# KiCad board DZ44.kicad_pcb
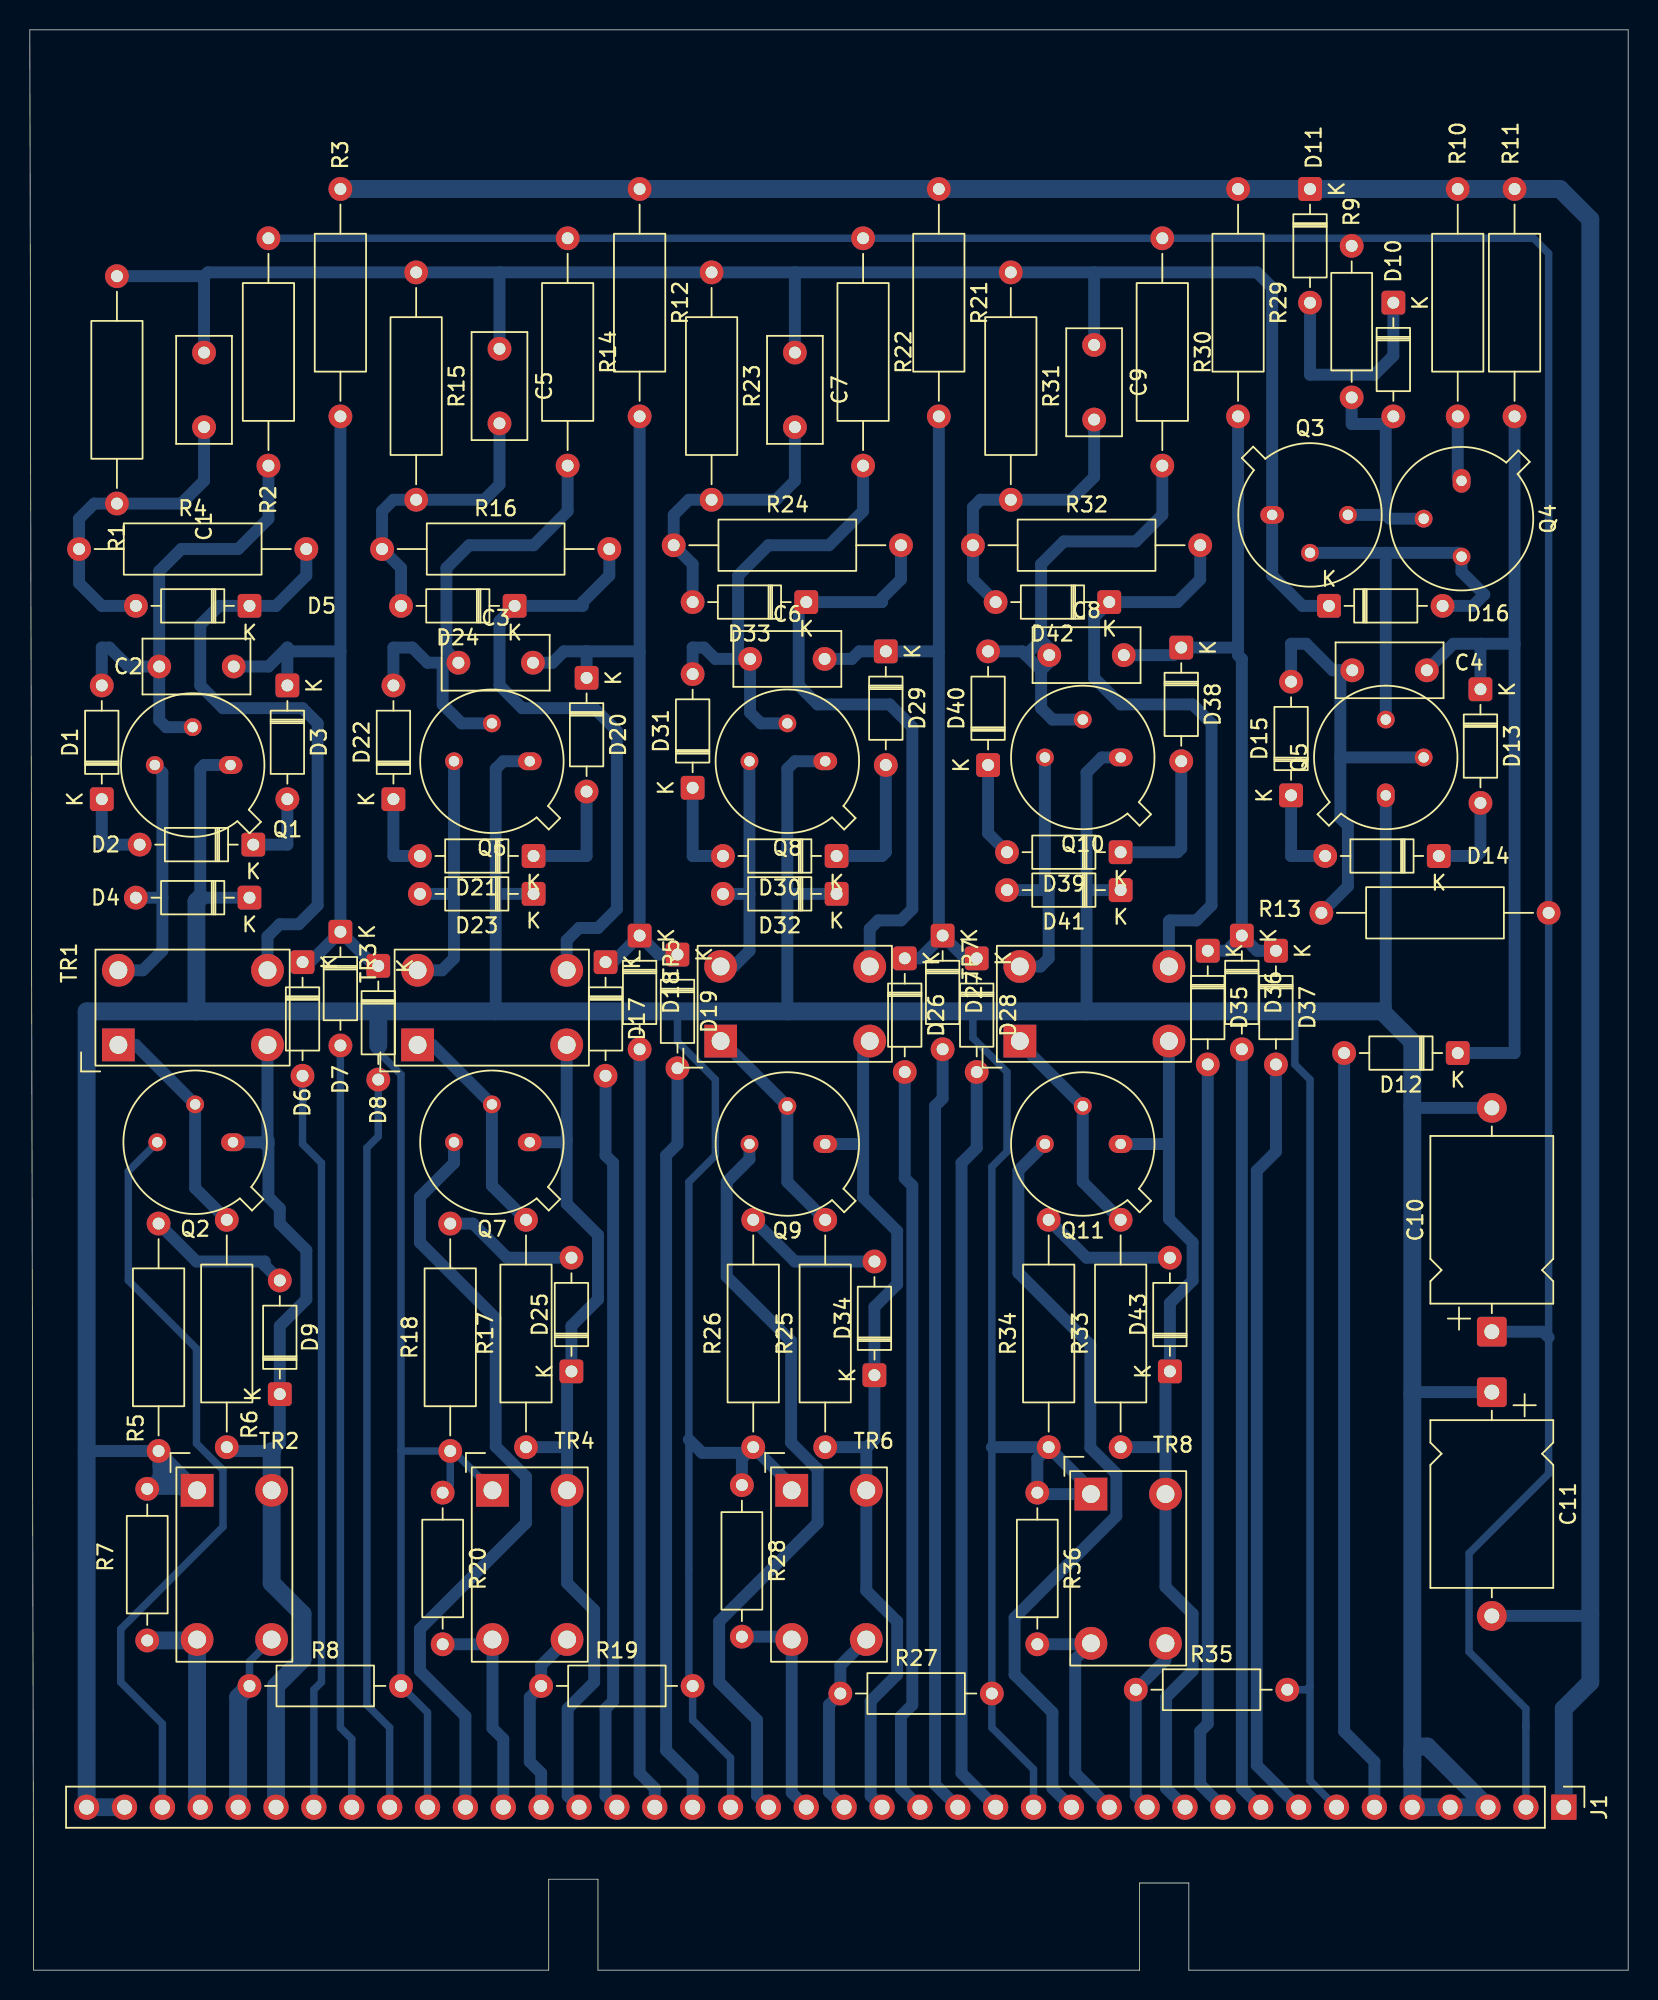
[diagram p0: board, top side]
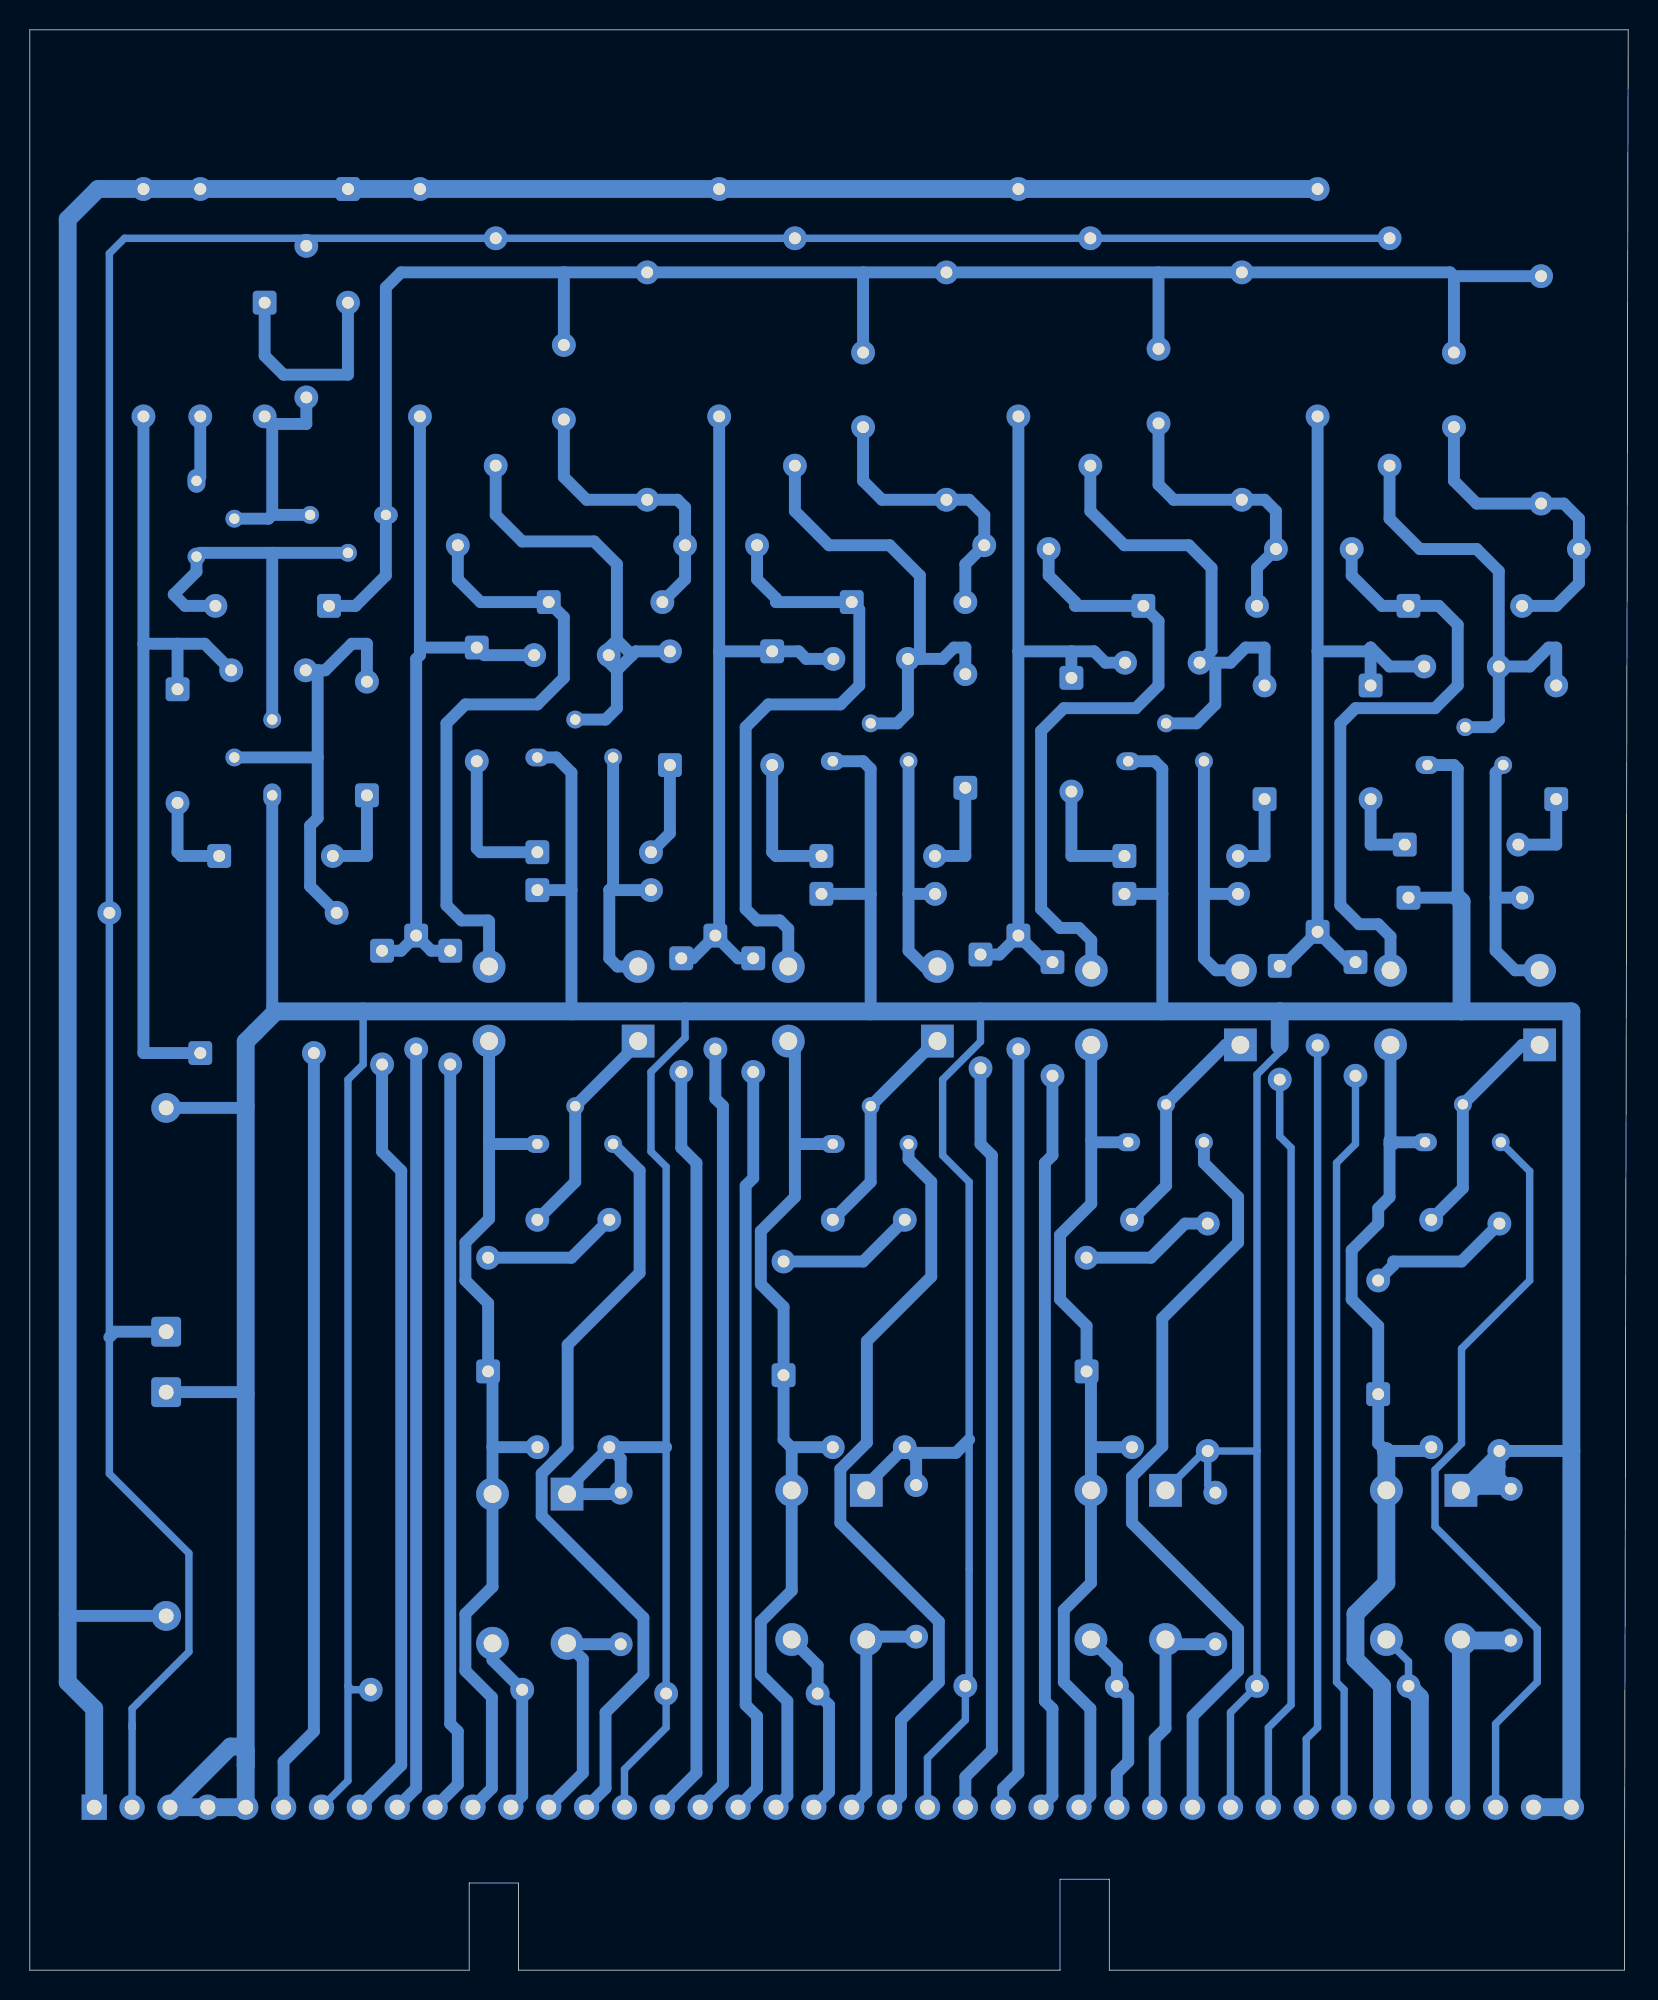
[diagram p1: board, bottom side, seen from below]

Outline 107.19 x 130.05 mm; copper layers: Top, Bottom. Coordinates in mm from the lower left corner of the outline.
Outline path: 0,130.05 0.25,0 34.8,0 34.8,6.1 38.1,6.1 38.1,0 74.42,0 74.42,5.84 77.72,5.84 77.72,0 107.19,0 107.19,130.05 0,130.05

## Placement (name value [footprint] x y rotation side)
C1  C  [C_Rect_L7.0mm_W3.5mm_P5.00mm]  11.68 108.42 270 top
C2  C  [C_Rect_L7.0mm_W3.5mm_P5.00mm]  8.68 87.38 0 top
C3  C  [C_Rect_L7.0mm_W3.5mm_P5.00mm]  28.74 87.63 0 top
C4  C  [C_Rect_L7.0mm_W3.5mm_P5.00mm]  88.69 87.12 0 top
C5  C  [C_Rect_L7.0mm_W3.5mm_P5.00mm]  31.5 108.67 270 top
C6  C  [C_Rect_L7.0mm_W3.5mm_P5.00mm]  48.3 87.88 0 top
C7  C  [C_Rect_L7.0mm_W3.5mm_P5.00mm]  51.31 108.42 270 top
C8  C  [C_Rect_L7.0mm_W3.5mm_P5.00mm]  68.37 88.14 0 top
C9  C  [C_Rect_L7.0mm_W3.5mm_P5.00mm]  71.37 108.93 270 top
C10  C_Polarized  [CP_Axial_L11.0mm_D8.0mm_P15.00mm_Horizontal]  98.04 42.79 90 top
C11  C_Polarized  [CP_Axial_L11.0mm_D8.0mm_P15.00mm_Horizontal]  98.04 38.74 270 top
D1  1N005  [D_DO-35_SOD27_P7.62mm_Horizontal]  4.83 78.49 90 top
D2  1N005  [D_DO-35_SOD27_P7.62mm_Horizontal]  14.99 75.44 180 top
D3  1N005  [D_DO-35_SOD27_P7.62mm_Horizontal]  17.27 86.11 270 top
D4  1N914  [D_DO-35_SOD27_P7.62mm_Horizontal]  14.73 71.88 180 top
D5  1N914  [D_DO-35_SOD27_P7.62mm_Horizontal]  14.73 91.44 180 top
D6  1N914  [D_DO-35_SOD27_P7.62mm_Horizontal]  18.29 67.56 270 top
D7  1N914  [D_DO-35_SOD27_P7.62mm_Horizontal]  20.83 69.6 270 top
D8  1N914  [D_DO-35_SOD27_P7.62mm_Horizontal]  23.37 67.31 270 top
D9  1N914  [D_DO-35_SOD27_P7.62mm_Horizontal]  16.76 38.61 90 top
D10  1N005  [D_DO-35_SOD27_P7.62mm_Horizontal]  91.44 111.76 270 top
D11  1N005  [D_DO-35_SOD27_P7.62mm_Horizontal]  85.85 119.38 270 top
D12  1N005  [D_DO-35_SOD27_P7.62mm_Horizontal]  95.76 61.47 180 top
D13  1N005  [D_DO-35_SOD27_P7.62mm_Horizontal]  97.28 85.85 270 top
D14  1N005  [D_DO-35_SOD27_P7.62mm_Horizontal]  94.49 74.68 180 top
D15  1N005  [D_DO-35_SOD27_P7.62mm_Horizontal]  84.58 78.74 90 top
D16  1N914  [D_DO-35_SOD27_P7.62mm_Horizontal]  87.12 91.44 0 top
D17  1N914  [D_DO-35_SOD27_P7.62mm_Horizontal]  38.61 67.56 270 top
D18  1N914  [D_DO-35_SOD27_P7.62mm_Horizontal]  40.89 69.34 270 top
D19  1N914  [D_DO-35_SOD27_P7.62mm_Horizontal]  43.43 68.07 270 top
D20  1N005  [D_DO-35_SOD27_P7.62mm_Horizontal]  37.34 86.61 270 top
D21  1N005  [D_DO-35_SOD27_P7.62mm_Horizontal]  33.78 74.68 180 top
D22  1N005  [D_DO-35_SOD27_P7.62mm_Horizontal]  24.38 78.49 90 top
D23  1N914  [D_DO-35_SOD27_P7.62mm_Horizontal]  33.78 72.14 180 top
D24  1N914  [D_DO-35_SOD27_P7.62mm_Horizontal]  32.51 91.44 180 top
D25  1N914  [D_DO-35_SOD27_P7.62mm_Horizontal]  36.32 40.13 90 top
D26  1N914  [D_DO-35_SOD27_P7.62mm_Horizontal]  58.67 67.82 270 top
D27  1N914  [D_DO-35_SOD27_P7.62mm_Horizontal]  61.21 69.34 270 top
D28  1N914  [D_DO-35_SOD27_P7.62mm_Horizontal]  63.5 67.82 270 top
D29  1N005  [D_DO-35_SOD27_P7.62mm_Horizontal]  57.4 88.39 270 top
D30  1N005  [D_DO-35_SOD27_P7.62mm_Horizontal]  54.1 74.68 180 top
D31  1N005  [D_DO-35_SOD27_P7.62mm_Horizontal]  44.45 79.25 90 top
D32  1N914  [D_DO-35_SOD27_P7.62mm_Horizontal]  54.1 72.14 180 top
D33  1N914  [D_DO-35_SOD27_P7.62mm_Horizontal]  52.07 91.69 180 top
D34  1N914  [D_DO-35_SOD27_P7.62mm_Horizontal]  56.64 39.88 90 top
D35  1N914  [D_DO-35_SOD27_P7.62mm_Horizontal]  78.99 68.33 270 top
D36  1N914  [D_DO-35_SOD27_P7.62mm_Horizontal]  81.28 69.34 270 top
D37  1N914  [D_DO-35_SOD27_P7.62mm_Horizontal]  83.57 68.33 270 top
D38  1N005  [D_DO-35_SOD27_P7.62mm_Horizontal]  77.22 88.65 270 top
D39  1N005  [D_DO-35_SOD27_P7.62mm_Horizontal]  73.15 74.93 180 top
D40  1N005  [D_DO-35_SOD27_P7.62mm_Horizontal]  64.26 80.77 90 top
D41  1N914  [D_DO-35_SOD27_P7.62mm_Horizontal]  73.15 72.39 180 top
D42  1N914  [D_DO-35_SOD27_P7.62mm_Horizontal]  72.39 91.69 180 top
D43  1N914  [D_DO-35_SOD27_P7.62mm_Horizontal]  76.45 40.13 90 top
J1  Conn_01x40  [PinHeader_1x40_P2.54mm_Vertical]  102.87 10.92 270 top
Q1  Q_PNP_EBC  [TO-39-3]  13.46 80.77 180 top
Q2  Q_PNP_EBC  [TO-39-3]  13.63 55.49 180 top
Q3  Q_PNP_EBC  [TO-39-3]  83.31 97.54 0 top
Q4  Q_PNP_EBC  [TO-39-3]  96.01 99.82 270 top
Q5  Q_PNP_EBC  [TO-39-3]  90.93 78.74 90 top
Q6  Q_PNP_EBC  [TO-39-3]  33.53 81.03 180 top
Q7  Q_PNP_EBC  [TO-39-3]  33.53 55.49 180 top
Q8  Q_PNP_EBC  [TO-39-3]  53.34 81.03 180 top
Q9  Q_PNP_EBC  [TO-39-3]  53.34 55.37 180 top
Q10  Q_PNP_EBC  [TO-39-3]  73.15 81.28 180 top
Q11  Q_PNP_EBC  [TO-39-3]  73.15 55.37 180 top
R1  110R  [R_Axial_DIN0309_L9.0mm_D3.2mm_P15.24mm_Horizontal]  5.84 113.54 270 top
R2  39K  [R_Axial_DIN0309_L9.0mm_D3.2mm_P15.24mm_Horizontal]  16 116.08 270 top
R3  6.8K  [R_Axial_DIN0309_L9.0mm_D3.2mm_P15.24mm_Horizontal]  20.83 119.38 270 top
R4  110R  [R_Axial_DIN0309_L9.0mm_D3.2mm_P15.24mm_Horizontal]  3.3 95.25 0 top
R5  150R  [R_Axial_DIN0309_L9.0mm_D3.2mm_P15.24mm_Horizontal]  8.64 34.8 90 top
R6  330R  [R_Axial_DIN0309_L9.0mm_D3.2mm_P15.24mm_Horizontal]  13.21 35.05 90 top
R7  510R  [R_Axial_DIN0207_L6.3mm_D2.5mm_P10.16mm_Horizontal]  7.87 32.26 270 top
R8  510R  [R_Axial_DIN0207_L6.3mm_D2.5mm_P10.16mm_Horizontal]  14.73 19.05 0 top
R9  3.3K  [R_Axial_DIN0207_L6.3mm_D2.5mm_P10.16mm_Horizontal]  88.65 115.57 270 top
R10  100R  [R_Axial_DIN0309_L9.0mm_D3.2mm_P15.24mm_Horizontal]  95.76 104.14 90 top
R11  7.5K  [R_Axial_DIN0309_L9.0mm_D3.2mm_P15.24mm_Horizontal]  99.57 104.14 90 top
R12  6.8K  [R_Axial_DIN0309_L9.0mm_D3.2mm_P15.24mm_Horizontal]  40.89 119.38 270 top
R13  39K  [R_Axial_DIN0309_L9.0mm_D3.2mm_P15.24mm_Horizontal]  101.85 70.87 180 top
R14  39K  [R_Axial_DIN0309_L9.0mm_D3.2mm_P15.24mm_Horizontal]  36.07 116.08 270 top
R15  110R  [R_Axial_DIN0309_L9.0mm_D3.2mm_P15.24mm_Horizontal]  25.91 113.79 270 top
R16  110R  [R_Axial_DIN0309_L9.0mm_D3.2mm_P15.24mm_Horizontal]  23.62 95.25 0 top
R17  330R  [R_Axial_DIN0309_L9.0mm_D3.2mm_P15.24mm_Horizontal]  33.27 35.05 90 top
R18  150R  [R_Axial_DIN0309_L9.0mm_D3.2mm_P15.24mm_Horizontal]  28.19 34.8 90 top
R19  510R  [R_Axial_DIN0207_L6.3mm_D2.5mm_P10.16mm_Horizontal]  34.29 19.05 0 top
R20  510R  [R_Axial_DIN0207_L6.3mm_D2.5mm_P10.16mm_Horizontal]  27.69 32 270 top
R21  6.8K  [R_Axial_DIN0309_L9.0mm_D3.2mm_P15.24mm_Horizontal]  60.96 119.38 270 top
R22  39K  [R_Axial_DIN0309_L9.0mm_D3.2mm_P15.24mm_Horizontal]  55.88 116.08 270 top
R23  110R  [R_Axial_DIN0309_L9.0mm_D3.2mm_P15.24mm_Horizontal]  45.72 113.79 270 top
R24  110R  [R_Axial_DIN0309_L9.0mm_D3.2mm_P15.24mm_Horizontal]  43.18 95.5 0 top
R25  330R  [R_Axial_DIN0309_L9.0mm_D3.2mm_P15.24mm_Horizontal]  53.34 35.05 90 top
R26  150R  [R_Axial_DIN0309_L9.0mm_D3.2mm_P15.24mm_Horizontal]  48.51 35.05 90 top
R27  510R  [R_Axial_DIN0207_L6.3mm_D2.5mm_P10.16mm_Horizontal]  54.36 18.54 0 top
R28  510R  [R_Axial_DIN0207_L6.3mm_D2.5mm_P10.16mm_Horizontal]  47.75 32.51 270 top
R29  6.8K  [R_Axial_DIN0309_L9.0mm_D3.2mm_P15.24mm_Horizontal]  81.03 119.38 270 top
R30  39K  [R_Axial_DIN0309_L9.0mm_D3.2mm_P15.24mm_Horizontal]  75.95 116.08 270 top
R31  110R  [R_Axial_DIN0309_L9.0mm_D3.2mm_P15.24mm_Horizontal]  65.79 113.79 270 top
R32  110R  [R_Axial_DIN0309_L9.0mm_D3.2mm_P15.24mm_Horizontal]  63.25 95.5 0 top
R33  330R  [R_Axial_DIN0309_L9.0mm_D3.2mm_P15.24mm_Horizontal]  73.15 35.05 90 top
R34  150R  [R_Axial_DIN0309_L9.0mm_D3.2mm_P15.24mm_Horizontal]  68.33 35.05 90 top
R35  510R  [R_Axial_DIN0207_L6.3mm_D2.5mm_P10.16mm_Horizontal]  74.17 18.8 0 top
R36  510R  [R_Axial_DIN0207_L6.3mm_D2.5mm_P10.16mm_Horizontal]  67.56 32 270 top
TR1  TRANSF1  [DZ44 Transformer]  5.94 62.02 90 top
TR2  TRANSF1  [DZ44 Transformer]  11.22 32.16 0 top
TR3  TRANSF1  [DZ44 Transformer]  26 62.02 90 top
TR4  TRANSF1  [DZ44 Transformer]  31.03 32.16 0 top
TR5  TRANSF1  [DZ44 Transformer]  46.33 62.27 90 top
TR6  TRANSF1  [DZ44 Transformer]  51.09 32.16 0 top
TR7  TRANSF1  [DZ44 Transformer]  66.39 62.27 90 top
TR8  TRANSF1  [DZ44 Transformer]  71.16 31.91 0 top

## Library data of the parts
C1-C9 = -: Description: Unpolarized capacitor; ki_fp_filters: C_*
C10 C11 = -: Description: Polarized capacitor; ki_fp_filters: CP_*
D1-D3 D10-D15 D20-D22 D29-D31 D38-D40 = -: Description: Diode; Sim.Device: D; Sim.Pins: 1=K 2=A; ki_fp_filters: TO-???* *_Diode_* *SingleDiode* D_*
D4-D9 D16-D19 D23-D28 D32-D37 D41-D43 = -: Datasheet: http://www.vishay.com/docs/85622/1n914.pdf; Description: 100V 0.3A Small Signal Fast Switching Diode, DO-35; Sim.Device: D; Sim.Pins: 1=K 2=A; ki_fp_filters: D*DO?35*
J1 = -: Description: Generic connector, single row, 01x40, script generated (kicad-library-utils/schlib/autogen/connector/); ki_fp_filters: Connector*:*_1x??_*
Q1-Q11 = -: Description: PNP transistor, emitter/base/collector
R1-R36 = -: Description: Resistor; ki_fp_filters: R_*

## Footprints (pads in the part's own frame, mm; a bottom-side part is the same pattern mirrored in y, then rotated)
C_Rect_L7.0mm_W3.5mm_P5.00mm
  round 1.6 hole 0.8: 1(0,0) 2(5,0)
CP_Axial_L11.0mm_D8.0mm_P15.00mm_Horizontal
  rrect 2x2 hole 1: 1(0,0)
  round 2 hole 1: 2(15,0)
D_DO-35_SOD27_P7.62mm_Horizontal
  rrect 1.6x1.6 hole 0.8: 1(0,0)
  round 1.6 hole 0.8: 2(7.62,0)
DZ44 Transformer
  rect 2.2x2.2 hole 1.2: 1(0,0)
  round 2.2 hole 1.2: 2(0,-10) 3(5,-10) 4(5,0)
PinHeader_1x40_P2.54mm_Vertical
  rect 1.7x1.7 hole 1: 1(0,0)
  round 1.7 hole 1: 2(0,-2.54) 3(0,-5.08) 4(0,-7.62) 5(0,-10.16) 6(0,-12.7) 7(0,-15.24) 8(0,-17.78) 9(0,-20.32) 10(0,-22.86) 11(0,-25.4) 12(0,-27.94) 13(0,-30.48) 14(0,-33.02) 15(0,-35.56) 16(0,-38.1) 17(0,-40.64) 18(0,-43.18) 19(0,-45.72) 20(0,-48.26) 21(0,-50.8) 22(0,-53.34) 23(0,-55.88) 24(0,-58.42) 25(0,-60.96) 26(0,-63.5) 27(0,-66.04) 28(0,-68.58) 29(0,-71.12) 30(0,-73.66) 31(0,-76.2) 32(0,-78.74) 33(0,-81.28) 34(0,-83.82) 35(0,-86.36) 36(0,-88.9) 37(0,-91.44) 38(0,-93.98) 39(0,-96.52) 40(0,-99.06)
R_Axial_DIN0207_L6.3mm_D2.5mm_P10.16mm_Horizontal
  round 1.6 hole 0.8: 1(0,0) 2(10.16,0)
R_Axial_DIN0309_L9.0mm_D3.2mm_P15.24mm_Horizontal
  round 1.6 hole 0.8: 1(0,0) 2(15.24,0)
TO-39-3
  oval 1.6x1.2 hole 0.7: 1(0,0)
  round 1.2 hole 0.7: 2(2.54,-2.54) 3(5.08,0)

## Nets
+6V: C10.1 J1.2 R2.1 R9.1 R13.1 R14.1 R22.1 R30.1
-12V: C11.2 D11.1 J1.1 R3.1 R10.2 R11.2 R12.1 R21.1 R29.1
GND: C10.2 C11.1 D4.1 D23.1 D32.1 D41.1 J1.3 J1.4 J1.5 J1.7 J1.15 J1.23 J1.31 J1.39 J1.40 Q1.1 Q5.1 Q6.1 Q8.1 Q10.1 R5.1 R7.1 R8.2 R18.1 R19.2 R20.1 R26.1 R27.2 R28.1 R34.1 R35.2 R36.1 TR2.1 TR4.1 TR6.1 TR8.1
P6: D12.2 J1.6
P8: D37.2 J1.8
P9: D36.2 J1.9
P10: D35.2 J1.10
P11: D43.1 J1.11 Q11.1 R33.1 TR7.2 TR8.4
P12: J1.12 R35.1 TR8.3
P13: J1.13 R36.2 TR8.2
P14: J1.14 Q11.3
P16: D28.2 J1.16
P17: D27.2 J1.17
P18: D26.2 J1.18
P19: D34.1 J1.19 Q9.1 R25.1 TR5.2 TR6.4
P20: J1.20 R27.1 TR6.3
P21: J1.21 R28.2 TR6.2
P22: J1.22 Q9.3
P24: D19.2 J1.24
P25: D18.2 J1.25
P26: D17.2 J1.26
P27: D25.1 J1.27 Q7.1 R17.1 TR3.2 TR4.4
P28: J1.28 R19.1 TR4.3
P29: J1.29 R20.2 TR4.2
P30: J1.30 Q7.3
P32: D8.2 J1.32
P33: D7.2 J1.33
P34: D6.2 J1.34
P35: D9.1 J1.35 Q2.1 R6.1 TR1.2 TR2.4
P36: J1.36 R8.1 TR2.3
P37: J1.37 R7.2 TR2.2
P38: J1.38 Q2.3
TRANSFORMER_DRIVE: C1.1 C5.1 C7.1 C9.1 D16.1 Q3.1 R1.1 R15.1 R23.1 R31.1
Net-(D1-A): C2.1 D1.2 Q1.2 R2.2
Net-(D1-K): D1.1 D2.2
Net-(D2-K): D2.1 D3.2
Net-(D3-K): C2.2 D3.1 D6.1 D7.1 D8.1 R3.2
Net-(D4-A): D4.2 Q1.3 TR1.4
Net-(D5-A): C1.2 D5.2 R1.2 R4.1
Net-(D5-K): D5.1 R4.2 TR1.3
Net-(D9-A): D9.2 R5.2
Net-(D10-A): D10.2 Q3.3 Q4.2 R9.2
Net-(D10-K): D10.1 D11.2
Net-(D12-K): C4.2 D12.1 D13.1 R11.1
Net-(D13-A): D13.2 D14.1
Net-(D14-A): D14.2 D15.1
Net-(D15-A): C4.1 D15.2 Q5.2 R13.2
Net-(D16-A): D16.2 Q3.2 Q4.3 Q5.3
Net-(D17-K): C3.2 D17.1 D18.1 D19.1 D20.1 R12.2
Net-(D20-A): D20.2 D21.1
Net-(D21-A): D21.2 D22.1
Net-(D22-A): C3.1 D22.2 Q6.2 R14.2
Net-(D23-A): D23.2 Q6.3 TR3.4
Net-(D24-A): C5.2 D24.2 R15.2 R16.1
Net-(D24-K): D24.1 R16.2 TR3.3
Net-(D25-A): D25.2 R18.2
Net-(D26-K): C6.2 D26.1 D27.1 D28.1 D29.1 R21.2
Net-(D29-A): D29.2 D30.1
Net-(D30-A): D30.2 D31.1
Net-(D31-A): C6.1 D31.2 Q8.2 R22.2
Net-(D32-A): D32.2 Q8.3 TR5.4
Net-(D33-A): C7.2 D33.2 R23.2 R24.1
Net-(D33-K): D33.1 R24.2 TR5.3
Net-(D34-A): D34.2 R26.2
Net-(D35-K): C8.2 D35.1 D36.1 D37.1 D38.1 R29.2
Net-(D38-A): D38.2 D39.1
Net-(D39-A): D39.2 D40.1
Net-(D40-A): C8.1 D40.2 Q10.2 R30.2
Net-(D41-A): D41.2 Q10.3 TR7.4
Net-(D42-A): C9.2 D42.2 R31.2 R32.1
Net-(D42-K): D42.1 R32.2 TR7.3
Net-(D43-A): D43.2 R34.2
Net-(Q2-B): Q2.2 R6.2 TR1.1
Net-(Q4-E): Q4.1 R10.1
Net-(Q7-B): Q7.2 R17.2 TR3.1
Net-(Q9-B): Q9.2 R25.2 TR5.1
Net-(Q11-B): Q11.2 R33.2 TR7.1

## Routing (per net, layer and track width the routed paths; a pad name or vN(x,y) marks a point on that pad's centre or on a via; arc(x,y) is an arc through that point)
+6V: length 198.4
  Bottom w0.5: R2.1 100.84,116.08 101.85,115.06 101.85,33.27 96.52,27.94 96.52,21.34 100.33,17.53 100.33,16.26 ; 100.33,16.26 J1.2 ; 100.33,16.26 100.33,16.51
  Bottom w0.8: C10.1 101.48,42.79 101.85,42.42
-12V: length 198.5
  Bottom w0.8: 104.65,23.88 104.51,23.74 C11.2
  Bottom w1.2: R3.1 102.62,119.38 104.65,117.35 104.65,19.3 102.87,17.53 J1.1
GND: length 601.5
  Bottom w0.5: R18.1 28.39,34.8 TR4.1 ; R18.1 24.89,34.8 ; R18.1 28.19,32.51 R20.1 ; 24.89,34.8 24.89,60.03 23.37,61.55 23.37,61.98 ; 24.89,34.8 R8.2 26.67,17.27 J1.31 ; 84.84,64.26 84.84,60.71 85.85,59.69 85.85,19.05 ; J1.23 46.99,14.22 44.45,16.76 R19.2 44.2,19.3 44.2,52.83 45.97,54.61 45.97,59.69 43.43,62.23 43.43,64.26 ; 85.85,19.05 85.6,18.8 R35.2 ; 85.85,19.05 85.85,12.7 J1.7 ; J1.15 67.31,13.46 64.52,16.26 R27.2 64.52,53.85 65.53,54.86 65.53,60.2 63.25,62.48 63.25,64.26
  Bottom w0.8: R26.1 48.13,34.67 45.08,34.67 44.2,35.56 ; R26.1 51.09,32.47 TR6.1 ; R26.1 47.75,34.29 R28.1 ; 50.8,72.14 50.8,64.26 ; 50.8,72.14 D32.1 ; 50.8,72.14 50.8,80.52 51.31,81.03 Q8.1 ; R34.1 67.56,34.29 R36.1 67.66,31.91 TR8.1 71.16,32.22 R34.1 ; R34.1 64.52,35.05 ; 70.87,72.39 70.87,80.26 71.88,81.28 Q10.1 ; 70.87,72.39 D41.1 ; 70.87,72.39 70.87,64.26 ; C10.2 92.83,57.79 92.71,57.91 ; TR2.1 11.12,32.26 R7.1 8.64,33.02 ; TR2.1 10.26,32.16 9.4,33.02 ; TR2.1 11.22,32.22 R5.1 ; 9.4,33.02 8.64,33.78 R5.1 ; 9.4,33.02 8.64,33.02 ; R5.1 8.64,33.02 ; R5.1 3.81,34.8 ; D23.1 31.24,72.14 ; 31.24,72.14 31.24,80.52 31.75,81.03 Q6.1 ; 31.24,72.14 31.24,64.26 ; Q1.1 11.68,80.77 11.43,80.52 11.43,71.88 D4.1 ; C11.1 92.84,38.74 92.71,38.61 ; 90.68,64.26 90.93,64.52 Q5.1
  Bottom w1.2: 23.37,61.98 23.37,64.26 ; 23.37,64.26 11.18,64.26 ; 23.37,64.26 90.68,64.26 92.71,62.23 92.71,13.72 ; 11.18,64.26 11.18,71.63 11.43,71.88 ; 11.18,64.26 3.81,64.26 J1.40 J1.39 ; 92.71,13.72 J1.5 J1.3 93.73,14.99 92.96,14.99 92.71,14.73 92.71,13.72
P6: length 51.4
  Bottom w0.8: J1.6 90.17,13.97 88.14,16 D12.2
P8: length 51.5
  Bottom w0.8: J1.8 82.28,13.73 82.28,53.58 83.57,54.86 D37.2
P9: length 51.3
  Bottom w0.8: D36.2 81.28,12.19 J1.9
P10: length 50.6
  Bottom w0.8: D35.2 78.99,16.51 78.49,16 78.49,12.45 J1.10
P11: length 61.1
  Bottom w0.8: Q11.1 76.2,55.37 76.39,55.56 ; 76.39,55.56 TR7.2 ; 76.39,55.56 76.39,50.35 77.98,48.77 77.98,46.23 76.45,44.7 D43.1 76.16,39.84 76.16,35.05 ; 76.16,35.05 TR8.4 76.16,25.69 77.98,23.88 77.98,20.07 76.2,18.29 76.2,12.19 J1.11 ; 76.16,35.05 R33.1
P12: length 12.1
  Bottom w0.8: J1.12 74.17,11.68 R35.1 76.16,20.79 TR8.3
P13: length 16
  Bottom w0.8: J1.13 70.1,13.21 70.1,20.85 TR8.2 71.1,21.84 R36.2
P14: length 52.3
  Bottom w0.8: J1.14 68.58,12.19 68.58,17.27 66.04,19.81 66.04,23.62 72.86,30.44 72.86,33.27 71.12,35.01 71.12,41.91 66.29,46.74 66.29,53.59 Q11.3
P16: length 50.6
  Bottom w0.8: D28.2 63.5,55.12 62.48,54.1 62.48,13.21 J1.16
P17: length 51.6
  Bottom w0.8: D27.2 61.21,58.42 60.71,57.91 60.71,12.45 J1.17
P18: length 50.3
  Bottom w0.8: J1.18 58.42,12.19 58.42,17.02 59.18,17.78 59.18,52.58 58.67,53.09 D26.2
P19: length 60.6
  Bottom w0.8: 56.13,35.05 56.64,35.56 D34.1 56.64,44.45 58.17,45.97 58.17,49.53 55.88,51.82 55.88,55.37 ; 56.13,35.05 R25.1 ; 56.13,35.05 56.09,35.01 TR6.4 56.09,25.44 58.17,23.37 58.17,19.81 56.39,18.03 56.39,11.68 J1.19 ; Q9.1 55.88,55.37 ; 55.88,55.37 55.88,61.82 TR5.2
P20: length 12.7
  Bottom w0.8: J1.20 53.59,11.94 53.59,17.78 R27.1 54.36,20.42 TR6.3
P21: length 15.1
  Bottom w0.8: J1.21 51.09,11.9 TR6.2 50.9,22.35 R28.2
P22: length 51.7
  Bottom w0.8: Q9.3 48.26,54.36 46.74,52.83 46.74,46.48 51.05,42.16 51.05,35.36 52.83,33.58 52.83,29.97 46.23,23.37 46.23,19.3 48.77,16.76 48.77,11.68 J1.22
P24: length 50.6
  Bottom w0.8: J1.24 44.45,12.95 42.67,14.73 42.67,54.61 43.43,55.37 D19.2
P25: length 51.2
  Bottom w0.8: J1.25 41.91,12.19 40.89,13.21 D18.2
P26: length 49.8
  Bottom w0.8: D17.2 38.61,54.61 39.12,54.1 39.12,18.03 38.61,17.53 38.61,11.68 J1.26
P27: length 59.9
  Bottom w0.8: 36.03,35.05 TR4.4 36.03,25.95 37.85,24.13 37.85,19.3 36.07,17.53 36.07,11.68 J1.27 ; 36.03,35.05 36.03,39.84 D25.1 36.32,43.18 38.1,44.96 38.1,49.28 36,51.37 36,55.63 ; 36.03,35.05 R17.1 ; 36,55.63 35.87,55.49 Q7.1 ; 36,55.63 TR3.2
P28: length 12.6
  Bottom w0.8: J1.28 34.29,13.21 33.53,13.97 33.53,18.29 R19.1 34.29,20.42 TR4.3
P29: length 15
  Bottom w0.8: J1.29 31.75,15.49 31.03,16.22 TR4.2 30.71,21.84 R20.2
P30: length 52.7
  Bottom w0.8: Q7.3 28.45,54.1 26.16,51.82 26.16,48.77 31.24,43.69 31.24,35.1 33.27,33.07 33.27,29.97 26.16,22.86 26.16,20.07 29.21,17.02 J1.30
P32: length 49.7
  Bottom w0.5: D8.2 23.37,55.88 22.61,55.12 22.61,17.78 24.13,16.26 J1.32
P33: length 51.4
  Bottom w0.5: D7.2 20.83,16.26 21.59,15.49 J1.33
P34: length 49.8
  Bottom w0.5: D6.2 18.29,55.37 19.56,54.1 19.56,19.3 19.05,18.8 J1.34
P35: length 59.9
  Bottom w0.8: 16,55.37 16,51.82 16.76,51.05 16.76,50.04 18.54,48.26 18.54,44.96 16.76,43.18 D9.1 16.76,35.31 16.26,34.8 13.46,34.8 ; 16,55.37 16,55.63 15.94,55.69 TR1.2 ; 16,55.37 15.75,55.37 15.63,55.49 Q2.1
  Bottom w1.2: J1.35 16.51,19.05 18.29,20.83 18.29,23.88 16.22,25.95 TR2.4 16.22,34.76 16.26,34.8
P36: length 12.2
  Bottom w0.5: R8.1 14.73,20.68 TR2.3
  Bottom w1.2: R8.1 13.97,18.29 J1.36
P37: length 14.7
  Bottom w1.2: R7.2 11.15,22.1 TR2.2 11.22,11.14 J1.37
P38: length 52
  Bottom w0.5: Q2.3 6.6,53.55 6.6,46.23 11.18,41.66 11.18,35.3 12.95,33.52 12.95,29.72 6.1,22.86 6.1,19.3 8.89,16.51 J1.38
TRANSFORMER_DRIVE: length 122.2
  Bottom w0.8: 71.37,113.79 82.3,113.79 83.31,112.78 Q3.1 83.31,93.47 85.34,91.44 D16.1 ; 71.37,113.79 C9.1 ; 71.37,113.79 51.31,113.79 ; 51.31,113.79 C7.1 ; 51.31,113.79 31.5,113.79 ; 31.5,113.79 11.94,113.79 11.68,113.54 ; 31.5,113.79 C5.1 ; 11.68,113.54 11.68,108.67 ; 11.68,113.54 R1.1
Net-(D1-A): length 31.7
  Bottom w0.8: R2.2 16,97.28 13.97,95.25 10.16,95.25 8.68,93.77 C2.1 ; C2.1 8.68,83.78 9.14,83.31 Q1.2 ; C2.1 6.6,87.38 5.33,88.65 4.83,88.65 D1.2
Net-(D1-K): length 5.6
  Bottom w0.8: D2.2 4.83,75.44 D1.1
Net-(D2-K): length 5.3
  Bottom w0.8: D3.2 17.27,75.44 D2.1
Net-(D3-K): length 51.7
  Bottom w0.8: D8.1 23.11,67.31 D7.1 ; C2.2 16,87.38 17.27,88.65 ; 17.27,88.65 D3.1 ; 17.27,88.65 17.53,88.39 20.83,88.39 ; D6.1 18.8,67.56 D7.1 ; D7.1 20.83,88.39 ; 20.83,88.39 R3.2
Net-(D4-A): length 17.9
  Bottom w0.8: 8.89,71.88 8.89,80.26 Q1.3 ; 8.89,71.88 D4.2 ; 8.89,71.88 8.89,68.33 7.58,67.02 TR1.4
Net-(D5-A): length 21.8
  Bottom w0.8: C1.2 11.68,99.82 10.16,98.3 R1.2 4.32,98.3 3.3,97.28 R4.1 3.3,92.96 4.83,91.44 D5.2
Net-(D5-K): length 41.9
  Bottom w0.8: TR1.3 15.94,69.28 16.76,70.1 18.03,70.1 19.3,71.37 19.3,83.57 18.29,84.58 12.95,84.58 11.43,86.11 11.43,90.17 12.7,91.44 D5.1 16.51,91.44 18.54,93.47 R4.2
Net-(D9-A): length 9.9
  Bottom w0.8: R5.2 11.18,47.5 15.75,47.5 15.75,47.24 D9.2
Net-(D10-A): length 16.1
  Bottom w0.8: Q3.3 90.93,97.54 ; 90.93,97.54 91.19,97.28 Q4.2 ; 90.93,97.54 90.93,103.63 ; 90.93,103.63 88.65,103.63 R9.2 ; 90.93,103.63 D10.2
Net-(D10-K): length 14.5
  Bottom w0.8: D10.1 91.44,108.2 90.17,106.93 85.85,106.93 D11.2
Net-(D12-K): length 56.1
  Bottom w0.8: 99.57,88.9 97.28,88.9 ; 99.57,88.9 99.57,61.47 D12.1 ; 99.57,88.9 R11.1 ; 97.28,88.9 D13.1 ; 97.28,88.9 95.46,88.9 C4.2
Net-(D13-A): length 6.2
  Bottom w0.8: D14.1 97.03,74.68 97.28,74.93 D13.2
Net-(D14-A): length 6.3
  Bottom w0.8: D15.1 84.58,74.68 D14.2
Net-(D15-A): length 30.2
  Bottom w0.8: 87.88,81.28 87.88,87.12 ; 87.88,81.28 Q5.2 ; 87.88,81.28 87.88,77.22 88.39,76.71 88.39,72.64 R13.2 ; 87.88,87.12 C4.1 ; 87.88,87.12 87.38,87.12 85.6,88.9 84.58,88.9 D15.2
Net-(D16-A): length 27.7
  Bottom w0.8: D16.2 96.77,91.44 97.54,92.2 96.01,93.73 Q4.3 95.76,95 90.93,95 ; Q3.2 90.93,95 ; 90.93,95 Q5.3
Net-(D17-K): length 50.1
  Bottom w0.8: D18.1 39.12,67.56 D17.1 ; D18.1 40.89,88.39 ; D18.1 42.16,68.07 D19.1 ; 37.34,88.39 35.81,88.39 35.05,87.63 C3.2 ; 37.34,88.39 D20.1 ; 37.34,88.39 40.89,88.39 ; 40.89,88.39 R12.2
Net-(D20-A): length 7.9
  Bottom w0.8: D20.2 37.34,74.68 D21.1
Net-(D21-A): length 5.6
  Bottom w0.8: D22.1 24.38,74.68 D21.2
Net-(D22-A): length 33.4
  Bottom w0.8: 27.69,87.63 26.67,87.63 25.65,88.65 24.38,88.65 D22.2 ; 27.69,87.63 C3.1 27.94,88.43 27.94,93.98 29.46,95.5 33.78,95.5 36.07,97.79 R14.2 ; 27.69,87.63 27.69,84.84 28.96,83.57 Q6.2
Net-(D23-A): length 18.3
  Bottom w0.8: D23.2 28.45,72.14 ; 28.45,72.14 Q6.3 ; 28.45,72.14 28.45,67.82 27.65,67.02 TR3.4
Net-(D24-A): length 19.6
  Bottom w0.8: D24.2 24.89,93.98 R16.1 23.62,97.79 24.38,98.55 R15.2 30.48,98.55 31.5,99.57 C5.2
Net-(D24-K): length 42.2
  Bottom w0.8: TR3.3 36,69.02 36.83,69.85 38.1,69.85 39.37,71.12 39.37,83.06 37.85,84.58 33.02,84.58 31.5,86.11 31.5,90.42 D24.1 37.08,91.44 37.08,91.69 38.86,93.47 R16.2
Net-(D25-A): length 9.1
  Bottom w0.8: D25.2 32,47.75 29.72,50.04 R18.2
Net-(D26-K): length 48.9
  Bottom w0.8: D27.1 62.74,67.82 D28.1 ; D27.1 60.96,69.6 60.96,88.39 ; D27.1 59.69,67.82 D26.1 ; R21.2 60.96,88.39 ; 60.96,88.39 D29.1 55.63,88.39 55.12,87.88 C6.2
Net-(D29-A): length 9.2
  Bottom w0.8: D29.2 57.4,74.93 57.15,74.68 D30.1
Net-(D30-A): length 6.6
  Bottom w0.8: D30.2 44.45,74.68 D31.1
Net-(D31-A): length 31.1
  Bottom w0.8: D31.2 44.45,88.65 45.21,88.65 45.97,87.88 47.5,87.88 ; 47.5,87.88 C6.1 48.3,84.29 49.02,83.57 Q8.2 ; 47.5,87.88 47.5,93.47 49.53,95.5 53.59,95.5 55.88,97.79 R22.2
Net-(D32-A): length 16.9
  Bottom w0.8: TR5.4 47.2,67.27 48.26,68.33 48.26,72.14 ; D32.2 48.26,72.14 ; 48.26,72.14 Q8.3
Net-(D33-A): length 19
  Bottom w0.8: D33.2 44.45,94.23 R24.1 43.18,97.54 44.2,98.55 R23.2 50.04,98.55 51.31,99.82 C7.2
Net-(D33-K): length 42.1
  Bottom w0.8: R24.2 58.42,93.22 57.15,91.95 57.15,91.69 D33.1 51.56,91.19 51.56,86.11 52.83,84.84 57.66,84.84 59.18,83.31 59.18,71.12 58.42,70.36 56.9,70.36 56.33,69.79 TR5.3
Net-(D34-A): length 9.3
  Bottom w0.8: R26.2 51.31,47.5 D34.2
Net-(D35-K): length 48.2
  Bottom w0.8: C8.2 76.71,88.14 D38.1 81.03,88.65 ; D37.1 82.3,68.33 D36.1 ; D36.1 81.28,87.88 81.03,88.14 81.03,88.65 ; D36.1 80.26,68.33 D35.1 ; 81.03,88.65 R29.2
Net-(D38-A): length 10
  Bottom w0.8: D39.1 76.96,74.93 77.22,75.18 D38.2
Net-(D39-A): length 6.4
  Bottom w0.8: D40.1 64.26,76.2 D39.2
Net-(D40-A): length 31.6
  Bottom w0.8: 66.8,88.14 67.82,87.12 ; 66.8,88.14 67.82,89.15 ; 66.8,88.14 66.55,88.39 D40.2 ; 67.82,87.12 68.37,87.67 C8.1 68.33,88.14 68.33,88.65 67.82,89.15 ; 67.82,87.12 67.82,84.58 68.58,83.82 Q10.2 ; 67.82,89.15 67.82,94.23 69.34,95.76 74.17,95.76 75.95,97.54 R30.2
Net-(D41-A): length 18.5
  Bottom w0.8: TR7.4 67.78,67.27 68.33,67.82 68.33,72.39 ; 68.33,72.39 D41.2 ; 68.33,72.39 68.07,72.64 Q10.3
Net-(D42-A): length 19.8
  Bottom w0.8: C9.2 71.37,100.08 69.85,98.55 R31.2 63.75,98.55 63.25,98.04 R32.1 63.25,93.22 D42.2
Net-(D42-K): length 42.2
  Bottom w0.8: TR7.3 76.39,70.29 76.45,70.36 78.23,70.36 79.25,71.37 79.25,83.57 77.98,84.84 73.15,84.84 71.37,86.61 71.37,90.68 D42.1 76.96,91.69 78.49,93.22 R32.2
Net-(D43-A): length 9.2
  Bottom w0.8: R34.2 70.87,47.75 D43.2
Net-(Q2-B): length 15.8
  Bottom w0.8: TR1.1 7.1,62.02 Q2.2 11.09,52.41 13.46,50.04
Net-(Q4-E): length 4.4
  Bottom w0.8: R10.1 95.76,100.08 Q4.1
Net-(Q7-B): length 15.3
  Bottom w0.8: TR3.1 27,62.02 Q7.2 30.99,52.58 R17.2
Net-(Q9-B): length 15
  Bottom w0.8: TR5.1 46.44,62.27 Q9.2 50.8,52.83 R25.2
Net-(Q11-B): length 14.8
  Bottom w0.8: TR7.1 66.39,62.13 Q11.2 70.61,52.83 R33.2
